# Altium PCB 400236.PcbDoc (part 2 of 5) (continued)
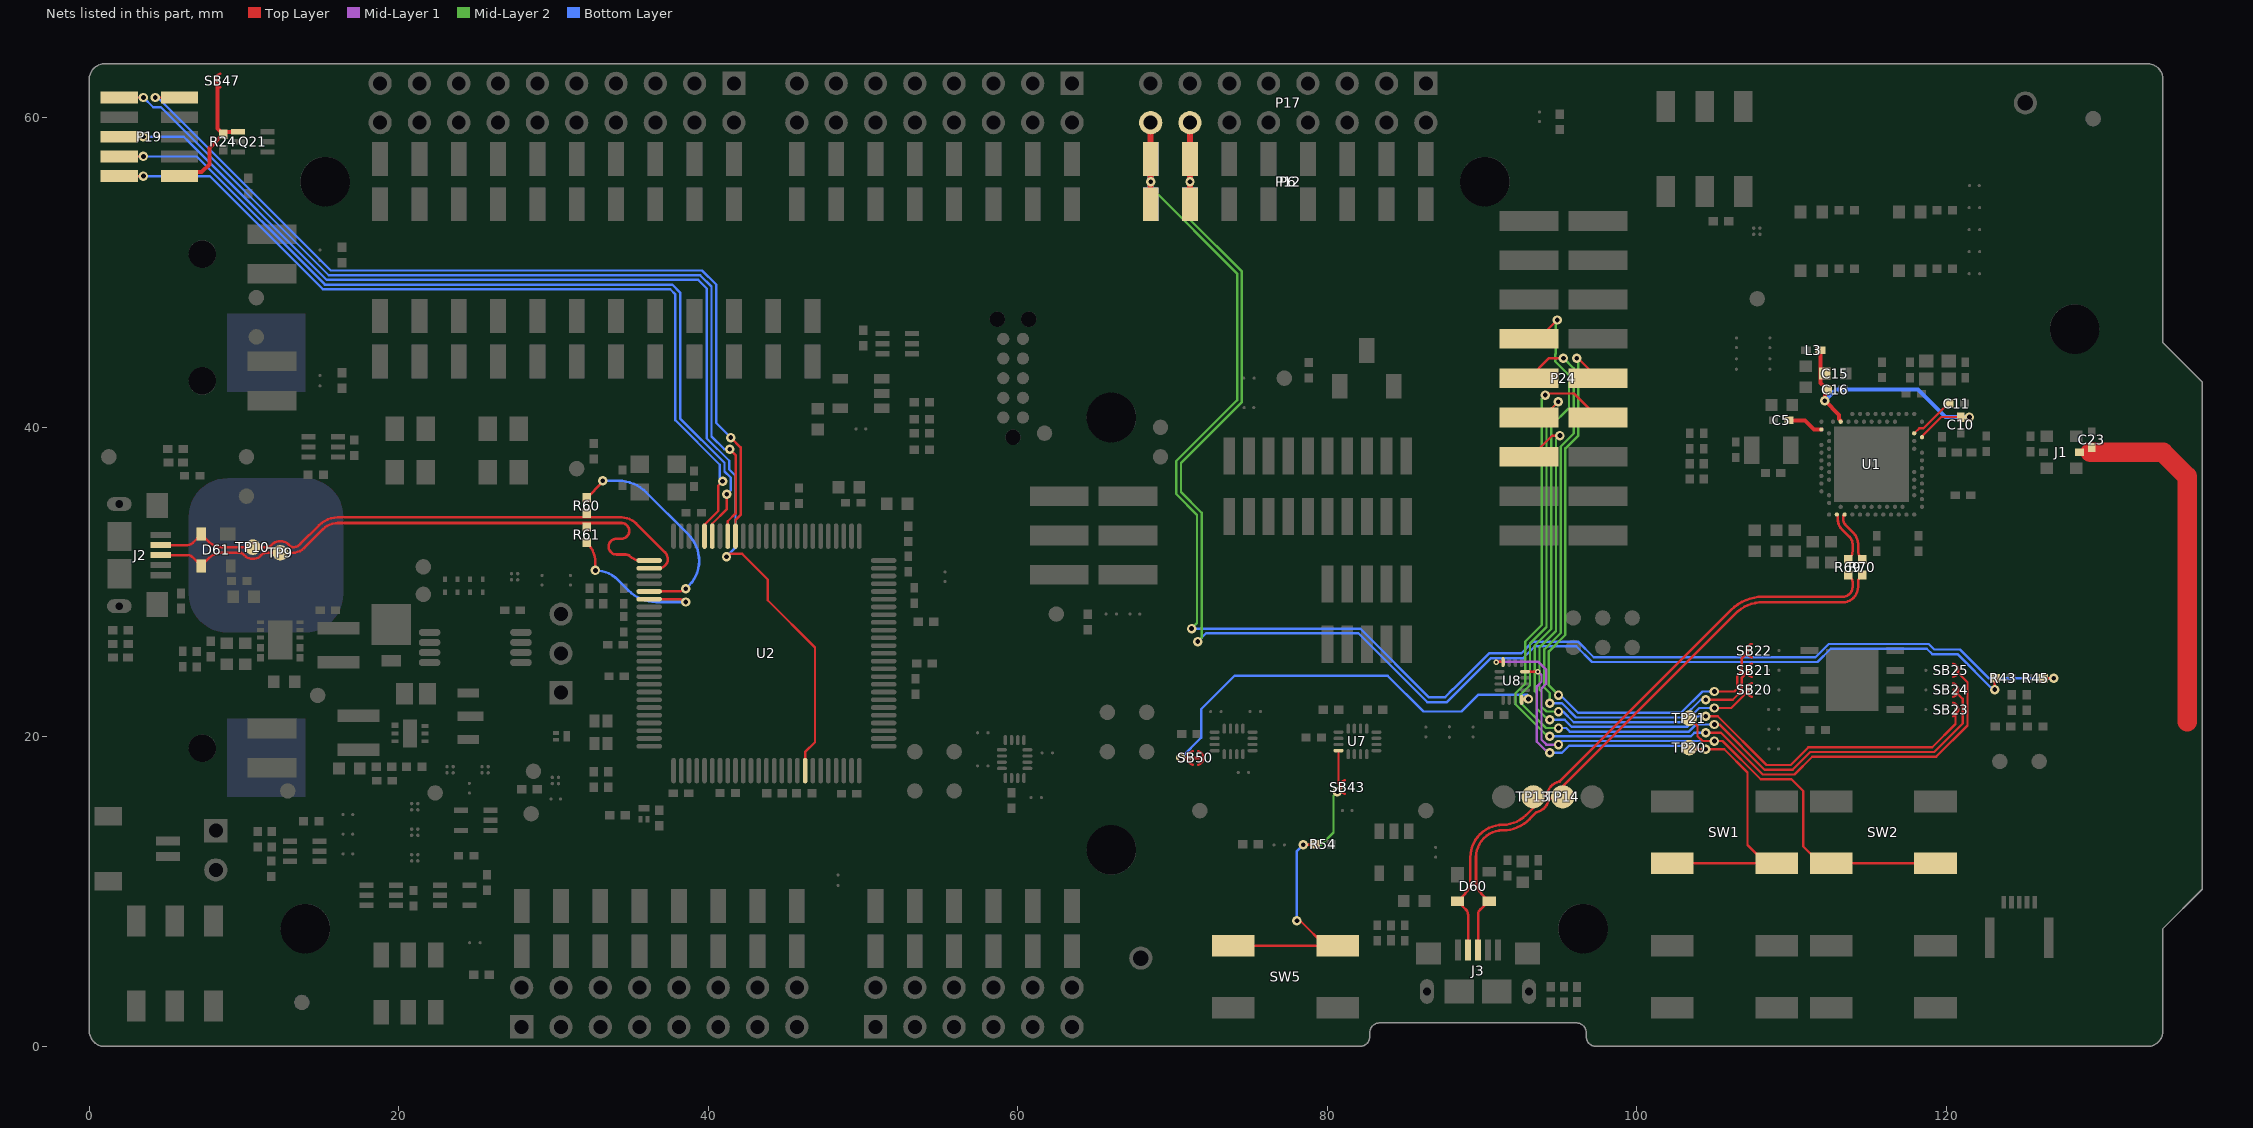
[diagram p4: the nets of this part, all layers, seen from the top]
## Part data (continued)
R1 R2 R30 R44 R46 R69 R70: library part R0402-0R, "Resistor, ±5%, 0.063W", Supplier part number=146-9661, Value Ohm=0, Artikkelnr Noca=27049000, Artikkelnr Simpro=N.A., Footprint Doc=0402, LatestRevisionDate=2009-11-23, Note="Chip Res 5%", Part Number=R0402-0R, Pin Count=2, Published=2009-05-08, Publisher="Nordic Semiconductor", Supplier=Farnell
R3 R4 R22 R23 R24 R27 R49 R62 R63: library part R0402-10k, "Resistor, ±1%, 0.063W", Part number IPS=00000002093, Supplier part number=173-8864, Value Ohm=10000, Artikkelnr Noca=27049097, Artikkelnr Simpro=N.A., Footprint Doc=0402, LatestRevisionDate=2009-11-23, Note="Chip Res 1%", Part Number=R0402-10k, Pin Count=2, Published=2009-05-08, Publisher="Nordic Semiconductor", Supplier=Farnell
  R62 R63: Assembly="Not mounted"
R20 R21 R47 R48 R50 R51: library part R0402-220, "Resistor, ±1%, 0.063W", Supplier part number=173-8841, Value Ohm=220, Artikkelnr Noca=27049057, Artikkelnr Simpro=N.A., Footprint Doc=0402, LatestRevisionDate=2009-11-23, Note="Chip Res 1%", Part Number=R0402-220, Pin Count=2, Published=2009-05-08, Publisher="Nordic Semiconductor", Supplier=Farnell
R25: library part R0402-6k8, "Resistor, ±1%, 0.063W", Supplier part number=173-8862, Value Ohm=6800, Artikkelnr Noca=27049093, Artikkelnr Simpro=N.A., Footprint Doc=0402, LatestRevisionDate=2009-11-23, Note="Chip Res 1%", Part Number=R0402-6k8, Pin Count=2, Published=2009-05-08, Publisher="Nordic Semiconductor", Supplier=Farnell
R26: library part R0402-47k, "Resistor, ±1%, 0.063W", Supplier part number=146-9719, Value Ohm=47000, Artikkelnr Noca=27049113, Artikkelnr Simpro=N.A., Footprint Doc=0402, LatestRevisionDate=2009-11-23, Note="Chip Res 1%", Part Number=R0402-47k, Pin Count=2, Published=2009-05-08, Publisher="Nordic Semiconductor", Supplier=Farnell
R28 R29: library part R0402-150, "Resistor, ±1%, 0.063W", Supplier part number=173-8839, Value Ohm=150, Artikkelnr Noca=27049053, Artikkelnr Simpro=N.A., Footprint Doc=0402, LatestRevisionDate=2009-11-23, Note="Chip Res 1%", Part Number=R0402-150, Pin Count=2, Published=2009-05-08, Publisher="Nordic Semiconductor", Supplier=Farnell
R40: library part R0402-150k, "Resistor, ±1%, 0.063W", Supplier part number=165-2753, Value Ohm=150000, Artikkelnr Noca=27049125, Artikkelnr Simpro=N.A., Footprint Doc=0402, LatestRevisionDate=2009-11-23, Note="Chip Res 1%", Part Number=R0402-150k, Pin Count=2, Published=2009-05-08, Publisher="Nordic Semiconductor", Supplier=Farnell
R41 R68 R86 R87 R89: library part R0402-1M0, "Resistor, ±1%, 0.063W", Part number IPS=00000006807, Value Ohm=1000000, Artikkelnr Noca=27049145, Artikkelnr Simpro=N.A., Footprint Doc=0402, LatestRevisionDate=2009-11-23, Note="Chip Res 1%", Part Number=R0402-1M0, Pin Count=2, Published=2009-05-08, Publisher="Nordic Semiconductor"
R43 R45 R54 R88 R90 R91: library part R0402-N.C., "Not mounted", Artikkelnr Noca=N.A., Artikkelnr Simpro=N.A., Assembly="Not mounted", Footprint Doc=0402, LatestRevisionDate=2009-05-08, Note="Chip Res", Part Number=R0402-N.C., Pin Count=2, Published=2009-05-08, Publisher="Nordic Semiconductor"
R52 R53 R64 R65 R66 R67: library part R0402-4k7, "Resistor, ±1%, 0.063W", Part number IPS=00000003433, Supplier part number=173-8858, Value Ohm=4700, Artikkelnr Noca=27049089, Artikkelnr Simpro=N.A., Footprint Doc=0402, LatestRevisionDate=2009-11-23, Note="Chip Res 1%", Part Number=R0402-4k7, Pin Count=2, Published=2009-05-08, Publisher="Nordic Semiconductor", Supplier=Farnell
R60 R61: library part R0402-39R, "Resistor, ±1%, 0.063W", Part number IPS=00000000821, Supplier part number=173-8831, Value Ohm=39, Artikkelnr Noca=27049039, Artikkelnr Simpro=N.A., Footprint Doc=0402, LatestRevisionDate=2009-11-23, Note="Chip Res 1%", Part Number=R0402-39R, Pin Count=2, Published=2009-05-08, Publisher="Nordic Semiconductor", Supplier=Farnell
R80: library part R0402-270k, "Resistor, ±1%, 0.063W", Value Ohm=270000, Artikkelnr Noca=27049131, Artikkelnr Simpro=N.A., Footprint Doc=0402, LatestRevisionDate=2009-11-23, Note="Chip Res 1%", Part Number=R0402-270k, Pin Count=2, Published=2009-05-08, Publisher="Nordic Semiconductor"
R81: library part R0402-30k, "Resistor, ±1%, 0.063W", Value Ohm=30000, Artikkelnr Noca=27049108, Artikkelnr Simpro=N.A., Footprint Doc=0402, LatestRevisionDate=2016-06-02, Note="Chip Res 1%", Part Number=R0402-30k, Pin Count=2, Published=2014-10-08, Publisher="Nordic Semiconductor"
R82: library part R0402-330k, "Resistor, ±1%, 0.063W", Value Ohm=330000, Artikkelnr Noca=27049133, Artikkelnr Simpro=N.A., Footprint Doc=0402, LatestRevisionDate=2009-11-23, Note="Chip Res 1%", Part Number=R0402-330k, Pin Count=2, Published=2009-05-08, Publisher="Nordic Semiconductor"
R83: library part R0402-820k, "Resistor, ±1%, 0.063W", Value Ohm=820000, Artikkelnr Noca=27049143, Artikkelnr Simpro=N.A., Footprint Doc=0402, LatestRevisionDate=2009-11-23, Note="Chip Res 1%", Part Number=R0402-820k, Pin Count=2, Published=2009-05-08, Publisher="Nordic Semiconductor"
R84: library part R0402-120k, "Resistor, ±1%, 0.063W", Supplier part number=169-2508, Value Ohm=120000, Artikkelnr Noca=27049123, Artikkelnr Simpro=N.A., Footprint Doc=0402, LatestRevisionDate=2009-11-23, Note="Chip Res 1%", Part Number=R0402-120k, Pin Count=2, Published=2009-05-08, Publisher="Nordic Semiconductor", Supplier=Farnell
R85: library part R0402-470k, "Resistor, ±1%, 0.063W", Value Ohm=470000, Artikkelnr Noca=27049137, Artikkelnr Simpro=N.A., Footprint Doc=0402, LatestRevisionDate=2009-11-23, Note="Chip Res 1%", Part Number=R0402-470k, Pin Count=2, Published=2009-05-08, Publisher="Nordic Semiconductor"
R92 R94: library part R0402-10M, "Resistor, ±1%, 0.063W", Value Ohm=10000000, Artikkelnr Noca=27049169, Artikkelnr Simpro=N.A., Footprint Doc=0402, LatestRevisionDate=2009-11-23, Note="Chip Res 1%", Part Number=R0402-10M, Pin Count=2, Published=2009-05-08, Publisher="Nordic Semiconductor"
R93: library part R0402-1k0, "Resistor, ±1%, 0.063W", Part number IPS=00000002218, Supplier part number=173-8850, Value Ohm=1000, Artikkelnr Noca=27049073, Artikkelnr Simpro=N.A., Footprint Doc=0402, LatestRevisionDate=2009-11-23, Note="Chip Res 1%", Part Number=R0402-1k0, Pin Count=2, Published=2009-05-08, Publisher="Nordic Semiconductor", Supplier=Farnell
SB1 SB2 SB5 SB6 SB7 SB8 SB10 SB11 SB12 SB13 SB14 SB15 SB16 SB33 SB38 SB40 SB41 SB42 SB50 SB51 SB52 SB53 SB54 SB55 SB56 SB57 SB58 SB60 SB65: library part "Solderbridge Shorted", "Shorted Solderbridge", Artikkelnr Noca=N.A., Artikkelnr Simpro=N.A., Footprint Doc=Solderbridge_Shorted, LatestRevisionDate=2012-08-07, Part Number="Solderbridge Shorted", Pin Count=2, Published=2012-08-07, Publisher="Nordic Semiconductor"
SW1 SW2 SW3 SW4 SW5: library part Switch-PB-6.2x6.3mm-SMD, "Tactile Switch, SPNO, SMD, 160gf, 6.2x6.3x2.5mm", 2nd source part number=688-SKHUALE010, Manufacturer=Dailywell, Manufacturer Part Number=TS604VM1-025BR-R, Part number IPS=00000007812, 2nd source Supplier=Mouser, Artikkelnr Noca=50019106, Artikkelnr Simpro=N.A., Datasheet=\\hizz\pro\app9717\Datasheet\switches\Dailywell\TS604VM1-025BR-R.pdf, Footprint Doc=Switch-PB-6.2x6.3mm-SMD, LatestRevisionDate=2016-04-21, Part Number=Switch-PB-6.2x6.3mm-SMD, Pin Count=4, Published=2010-02-01, Publisher="Nordic Semiconductor", Supplier=Cabcon, Supplier part number=TS604VM1-025BR-R
SW6 SW8: "Slide Switch DPDT", Manufacturer=Dailywell, Artikkelnr Noca=50019112, Artikkelnr Simpro=N.A., Datasheet=\\hizz\pro\app9717\Datasheet\switches\Dailywell\MKH-22D14-G2-B.pdf, Footprint Doc=MKH-22D14-G2-B, LatestRevisionDate=2016-08-18, Manufacturer Part Number=MKH-22D14-G2-B, Part Number=MKH-22D14-G2-B, Pin Count=6, Published=2016-08-18, Publisher="Nordic Semiconductor"
SW7: library part CJS-1200TA, "SMD slide Switch (ON-ON)", Manufacturer="Copal Electronics Inc", Supplier part number=563-1021-2-ND, Artikkelnr Noca=50019068, Artikkelnr Simpro=N.A., Datasheet=http://media.digikey.com/pdf/Data%20Sheets/COPAL%20Electronics%20PDFs/CJS.pdf, Footprint Doc=CJS-120xA, LatestRevisionDate=2012-10-03, Manufacturer Part Number=CJS-1200TA, Part Number=CJS-1200TA, Pin Count=3, Published=2012-10-03, Publisher="Nordic Semiconductor", Supplier=Digi-Key
SW9: "Slide Switch DP3T 300mA 6V", Manufacturer="C&K Components", Supplier part number=CKN10725CT-ND, Artikkelnr Noca=50019111, Artikkelnr Simpro=N.A., Datasheet=http://www.ckswitches.com/media/1422/js.pdf, Footprint Doc=Switch-Slide-J-Lead-DP3T-13x3.5mm, LatestRevisionDate=2016-10-05, Manufacturer Part Number=JS203011JCQN, Part Number=JS203011JCQN, Pin Count=8, Published=2016-10-05, Publisher="Nordic Semiconductor", Supplier=Digi-Key
SW10: "Slide Switch DPDT J Hook", Manufacturer="Copal Electronics Inc", Supplier part number=CAS220JTR-ND, Artikkelnr Noca=50019042, Artikkelnr Simpro=N.A., Datasheet=http://media.digikey.com/pdf/Data%20Sheets/COPAL%20Electronics%20PDFs/CAS%20SMD%20Slide%20Switch.pdf, Footprint Doc=CAS-220TA, LatestRevisionDate=2010-02-18, Manufacturer Part Number=CAS-220TA, Part Number=CAS-220TA, Pin Count=6, Published=2010-02-18, Publisher="Nordic Semiconductor", Supplier=Digi-Key
TP1 TP2 TP3 TP4 TP5 TP6 TP7 TP8 TP9 TP10 TP11 TP12 TP17 TP18 TP19 TP20 TP21 TP22 TP23 TP24 TP25 TP26 TP27 TP28 TP29 TP30 TP31 TP32 TP33 TP34 TP35 TP36 TP37 TP38 TP39 TP42 TP43 TP44 TP45 TP46 TP47: library part TP_SMD_Ø1.0MM, "1.0mm circular SMD testpad", Manufacturer="Nordic Semiconductor", Artikkelnr Noca=N.A., Artikkelnr Simpro=N.A., Footprint Doc=TP_SMD_Ø1.0mm, LatestRevisionDate=2013-06-11, Part Number=TP_SMD_Ø1.0MM, Pin Count=1, Published=2013-06-11, Publisher="Nordic Semiconductor"
TP13 TP14 TP15 TP16: library part TP_SMD_Ø1.5MM, "1.0mm circular SMD testpad", Manufacturer="Nordic Semiconductor", Artikkelnr Noca=N.A., Artikkelnr Simpro=N.A., ComponentLink1Description=Datasheet, ComponentLink2Description="Supplier link", Footprint Doc=TP_SMD_Ø1.5mm, LatestRevisionDate=2016-06-02, Part Number=TP_SMD_Ø1.5MM, Pin Count=1, Published=2016-06-02, Publisher="Nordic Semiconductor"
TP40 TP41: library part "Testpoint TH", "Testpoint, through hole", Artikkelnr Noca=N.A., Artikkelnr Simpro=N.A., Footprint Doc=TESTPAD-TH, LatestRevisionDate=2009-12-12, Part Number="Testpoint TH", Pin Count=1, Published=2009-12-12, Publisher="Nordic Semiconductor"
U1: library part nRF52840-QIAAC0, "Multi-protocol Bluetooth Low Energy, IEEE 802.15.4, ANT and 2.4GHz proprietary system-on-chip", Manufacturer="Nordic Semiconductor", Part number IPS=N.A., Artikkelnr Noca=15079380, Artikkelnr Simpro=N.A., ComponentLink1Description=Datasheet, ComponentLink2Description="Supplier link", Footprint Doc=AQFN-73, LatestRevisionDate=2018-02-27, Manufacturer Part Number=nRF52840-QIAAC0, Part Number=nRF52840-QIAAC0, Pin Count=73, Published=2017-08-21, Publisher="Nordic Semiconductor", Supplier="Nordic Semiconductor", Supplier part number=nRF52840-QIAAC0
U2: "IC MCU 32bit 128kB flash 100LQFP", 2nd source part number=184-1662, Manufacturer=Atmel, Supplier part number=ATSAM3U2CA-AU-ND, 2nd source Supplier=Farnell, Artikkelnr Noca=15019073, Artikkelnr Simpro=N.A., Datasheet=http://www.atmel.com/Images/6430s.pdf, Footprint Doc=LQFP-100, LatestRevisionDate=2012-06-01, Manufacturer Part Number=ATSAM3U2CA-AU, Part Number=ATSAM3U2CA-AU, Pin Count=100, Published=2012-06-01, Publisher="Nordic Semiconductor", Supplier=Digi-Key
U3: library part MX25R6435FZNIL0, "Ultra low power, 64M-bit, serial multi I/O flash memory", Manufacturer=Macronix, 2nd source part number=MX25R6435FZNIL0, 2nd source Supplier=Arrow, Artikkelnr Noca=15020015, Artikkelnr Simpro=N.A., Datasheet=http://www.macronix.com/Lists/Datasheet/Attachments/3881/MX25R6435F,%20Wide%20Range,%2064Mb,%20v1.3.pdf, Footprint Doc=WSON-8, LatestRevisionDate=2016-06-29, Manufacturer Part Number=MX25R6435FZNIL0, Part Number=MX25R6435FZNIL0, Pin Count=8, Published=2016-06-29, Publisher="Nordic Semiconductor", Supplier=Future, Supplier part number=MX25R6435FZNIL0
U4 U13 U14 U15 U16 U17 U18 U24: "Semtech, 2A Low Vin, Very Low Ron, Load Switch, 4DSBGA", 2nd source part number=947-SC728CSTRT, Manufacturer="Semtech Corporation", Supplier part number=SC728CSTRTCT-ND, 2nd source Supplier=Mouser, Artikkelnr Noca=15070081, Artikkelnr Simpro=N.A., Datasheet=http://www.semtech.com/images/datasheet/sc728.pdf, Footprint Doc=WCSP-4, LatestRevisionDate=2015-01-01, Manufacturer Part Number=SC728CSTRT, Part Number=SC728CSTRT, Pin Count=4, Published=2016-06-16, Publisher="Nordic Semiconductor", Supplier=Digi-Key
U5 U6 U7 U8: "Data / Audio Low-Voltage Dual DPDT Analog Switch", 2nd source part number=512-FSA2466UMX, Manufacturer="Fairchild Semiconductor", Supplier part number=FSA2466UMXCT-ND, 2nd source Supplier=Mouser, Artikkelnr Noca=15070069, Artikkelnr Simpro=N.A., Datasheet=https://www.fairchildsemi.com/datasheets/FS/FSA2466.pdf, Footprint Doc=UFQFN-16, LatestRevisionDate=2016-05-18, Manufacturer Part Number=FSA2466UMX, Part Number=FSA2466UMX, Pin Count=16, Published=2016-05-18, Publisher="Nordic Semiconductor", Supplier=Digi-Key
U11: library part XC9236D08CER-G, "600mA Driver Transistor Built-In, Synchronous Step-Down DC/DC Converters", 2nd source part number=XC9236D08CER-G-ND, Manufacturer="Torex Semiconductor", Part number IPS=N.A., Supplier part number=865-XC9236D08CER-G, 2nd source Supplier=Digi-Key, Artikkelnr Noca=17030085, Artikkelnr Simpro=N.A., ComponentLink1Description=Datasheet, ComponentLink2Description="Supplier link", Footprint Doc=USP-6C, HelpURL=http://www.torexsemi.com/products/dcdc_converters/data/XC9235~37.pdf, LatestRevisionDate=2017-11-15, Manufacturer Part Number=XC9236D08CER-G, Part Number=XC9236D08CER-G, Pin Count=6, Published=2017-11-15, Publisher="Nordic Semiconductor", Supplier=Mouser
U12: library part XC9131H05CDR-G, "1A Driver Transistor Built-In, Multi Functional Step-Up DC/DC Converter", Manufacturer="Torex Semiconductor", Supplier part number=XC9131H05CDR-G-ND, Artikkelnr Noca=17030086, Artikkelnr Simpro=N.A., Datasheet=http://www.torexsemi.com/products/dcdc_converters/data/XC9131.pdf, Footprint Doc=UFDFN-10, LatestRevisionDate=2016-08-08, Manufacturer Part Number=XC9131H05CDR-G, Part Number=XC9131H05CDR-G, Pin Count=10, Published=2016-08-08, Publisher="Nordic Semiconductor", Supplier=Digi-Key
U19: "Precision very low power CMOS dual operational amplifier", Manufacturer=STMicroelectronics, Supplier part number=497-8085-1-ND, Artikkelnr Noca=17010019, Artikkelnr Simpro=N.A., Datasheet=http://www.st.com/content/ccc/resource/technical/document/datasheet/38/5b/ca/bd/c0/26/4a/34/CD00000880.pdf/files/CD00000880.pdf/jcr:content/translations/en.CD00000880.pdf, Footprint Doc=TSSOP-8, LatestRevisionDate=2016-07-07, Manufacturer Part Number=TS27L2IPT, Part Number=TS27L2IPT, Pin Count=8, Published=2016-07-07, Publisher="Nordic Semiconductor", Supplier=Digi-Key
U20 U25: library part 74LVC1G08GW, "Single 2-Input AND Gate", 2nd source part number=242-8299, Manufacturer="NXP Semiconductors", Supplier part number=568-1580-1-ND, 2nd source Supplier=Farnell, Artikkelnr Noca=15049058, Artikkelnr Simpro=N.A., Datasheet=http://www.nxp.com/documents/data_sheet/74LVC1G08.pdf, Footprint Doc=SC70-5, LatestRevisionDate=2016-10-18, Manufacturer Part Number=74LVC1G08GW, Note="Single 2-Input AND Gate", Part Number=74LVC1G08GW, Pin Count=5, Published=2016-10-18, Publisher="Nordic Semiconductor", Supplier=Digi-Key
U21: library part 74LVC1G11GW, "Single 3-input AND gate", 2nd source part number=243-8826, Manufacturer="NXP Semiconductors", Supplier part number=568-7757-1-ND, 2nd source Supplier=Farnell, Artikkelnr Noca=15079348, Artikkelnr Simpro=N.A., Datasheet=http://www.nxp.com/documents/data_sheet/74LVC1G11.pdf, Footprint Doc=SC70-6, LatestRevisionDate=2016-10-18, Manufacturer Part Number=74LVC1G11GW, Note="Single 3-input AND gate", Part Number=74LVC1G11GW, Pin Count=6, Published=2016-10-18, Publisher="Nordic Semiconductor", Supplier=Digi-Key
U22 U23: library part TCK106AF,LF, "1.0 A Load Switch IC with Slew Rate Control Driver in Small Package", Manufacturer=Toshiba, Part number IPS=00000007823, Supplier part number=TCK106AFLFCT-ND, Artikkelnr Noca=15070086, Artikkelnr Simpro=N.A., Datasheet=https://toshiba.semicon-storage.com/info/docget.jsp?did=53240&prodName=TCK108AF, Footprint Doc=SOT-25, LatestRevisionDate=2016-09-29, Manufacturer Part Number=TCK106AF,LF, Part Number=TCK106AF,LF, Pin Count=5, Published=2016-09-29, Publisher="Nordic Semiconductor", Supplier=Digi-Key
X1: library part XTAL_SMD2016_32MHz_8pF_Golledge, "XTAL SMD 2016, 32MHz, Cl=8pF, Tol: ±10ppm, Stab: ±15ppm", Manufacturer=Golledge, Manufacturer Part Number=MP06003, Artikkelnr Noca=N.A., Artikkelnr Simpro=N.A., ComponentLink1Description=Datasheet, ComponentLink2Description="Supplier link", Footprint Doc=XTAL_2016, HelpURL=\\hizz\pro\app9717\Datasheet\crystals\Golledge\mp06003.pdf, LatestRevisionDate=2016-11-02, Note="XTAL SMD 32.000MHz", Part Number=XTAL_SMD2016_32MHz_8pF_Golledge, Pin Count=4, Published=2016-11-02, Publisher="Nordic Semiconductor", Supplier="Link Nordic"
X2: library part XTAL_SMD3215_32.768kHz_9pF_NDK, "XTAL SMD 2012, 32.768kHz, 9pF, ±20ppm", Manufacturer=NDK, Manufacturer Part Number=NX3215SA-32.768K-STD-MUA-9, Artikkelnr Noca=N.A., Artikkelnr Simpro=N.A., Footprint Doc=XTAL_3215, LatestRevisionDate=2017-10-23, Note="XTAL SMD 32.768kHz", Part Number=XTAL_SMD3215_32.768kHz_9pF_NDK, Pin Count=2, Published=2017-10-23, Publisher="Nordic Semiconductor"
X20: library part XTAL_SMD3225_12MHz_18pF_TXC, "XTAL SMD 3225, 12MHz, Cl=18pF, Tol: ±30ppm, Stab: ±30ppm", 2nd source part number=184-2056, Manufacturer="TXC Corporation", Manufacturer Part Number=7M-12.000MAAJ-T, Supplier part number=887-1121-1-ND, 2nd source Supplier=Farnell, Artikkelnr Noca=22019166, Artikkelnr Simpro=N.A., Datasheet=http://www.txccrystal.com/images/pdf/7m.pdf, Footprint Doc=XTAL_3225, LatestRevisionDate=2014-11-27, Note="XTAL SMD 12.000MHz", Part Number=XTAL_SMD3225_12MHz_18pF_TXC, Pin Count=4, Published=2010-08-31, Publisher="Nordic Semiconductor", Supplier=Digi-Key
SB3 SB4 SB9 SB17 SB18 SB20 SB21 SB22 SB23 SB24 SB25 SB30 SB31 SB32 SB34 SB35 SB36 SB37 SB39 SB43 SB44 SB45 SB46 SB47 SB48 SB49 SB59 SB80 SB81: Artikkelnr Noca=N.A., Artikkelnr Simpro=N.A., Footprint Doc=Solderbridge, LatestRevisionDate=2009-12-14, Part Number=Solderbridge, Pin Count=2, Published=2009-12-14, Publisher="Nordic Semiconductor"

## Free pads (board coordinates)
  round 3.2 hole 3.2 unplated: 1(13.97,7.62) 1(15.24,55.88) 1(66.04,12.7) 1(66.04,40.64) 1(90.17,55.88) 1(96.52,7.62) 1(128.27,46.355)
  round 0.35 on Mech16: 1(112.414,36.617) 1(112.414,37.117) 1(112.414,37.617) 1(112.414,38.117) 1(112.414,38.617) 1(114.164,34.867) 1(114.164,40.367) 1(114.414,34.367) 1(114.664,34.867) 1(114.664,40.367) 1(114.914,34.367) 1(115.164,34.867) 1(115.164,40.367) 1(115.664,34.867) 1(115.664,40.367) 1(116.164,34.867) 1(116.164,40.367) 1(116.664,34.867) 1(116.664,40.367) 1(117.164,34.867) 1(117.914,35.617) 1(117.914,36.117) 1(117.914,36.617) 1(117.914,37.117)

## Via types
v1: diameter 0.61, hole 0.305, Top Layer to Bottom Layer, tented both sides, 1088 vias
v2: diameter 0.35, hole 0.15, Top Layer to Mid-Layer 1, tented both sides, 180 vias
v3: diameter 0.61, hole 0.305, Top Layer to Bottom Layer, 24 vias

## Nets (pads, with @x,y where several pads share a name; then routed paths per layer and width w, separated by ;. In a path a pad name is that pad's centre, name@x,y a point inside that pad or via, vN(x,y) a via of type N, cw(c..) or ccw(c..) an arc to the next point about the centre after c; other vN are vias at no path point)
ANT: C23.1 J1.3 | length 22.7
  Top Layer w1.27: 129.303,38.391 133.992,38.391 135.551,36.832 135.551,20.99
BOOT/RESET: R54.1 SB43.1 SW5.2 U7.16 | length 23.2
  Top Layer w0.152: SW5.2@73.917,6.502 SW5.2@80.667,6.502 ; v1(78.029,8.128) 78.241,8.128 SW5.2@79.913,6.456 ; v1(78.435,13.03) 79.18,13.03 R54.1@79.231,13.081 ; v1(80.645,16.459) 80.95,16.764 80.95,16.782 80.715,17.016 U7.16@80.715,19.11 U7.16@80.68,19.11
  Mid-Layer 2 w0.152: v1(78.435,13.03) 79.604,13.03 80.391,13.818 80.391,16.205 v1(80.645,16.459)
  Bottom Layer w0.152: v1(78.029,8.128) 78.029,12.624 v1(78.435,13.03)
BUTTON1: SW1.2 TP20.1 U8.4 | length 35.3
  Top Layer w0.152: U8.4@92.773,24.222 93.609,24.222 v2@93.624,24.206 ; SW1.2@102.278,11.83 SW1.2@108.331,11.83 ; TP20.1@103.378,19.304 103.48,19.202 v1(104.445,19.202) 105.634,19.202 107.137,17.699 107.137,13.024 SW1.2@108.331,11.83 ; SW1.2@109.707,11.83 SW1.2@109.028,11.83 SW1.2@108.331,11.83
  Mid-Layer 1 w0.152: v2@93.624,24.206 93.828,24.003 93.828,23.562 93.531,23.266 93.531,19.693 94.251,18.974 v1(94.369,18.974)
  Bottom Layer w0.152: v1(94.369,18.974) 95.149,18.974 95.606,19.431 103.454,19.431 103.683,19.202 v1(104.445,19.202)
  other v2: 93.599,24.206
BUTTON2: SW2.2 TP21.1 U8.8 | length 42.9
  Top Layer w0.152: v2@90.887,24.847 U8.8@91.348,24.847 ; TP21.1@103.378,21.234 103.914,20.699 103.914,20.049 104.227,19.736 v1(105.004,19.736) 105.532,19.736 107.995,17.272 109.981,17.272 110.744,16.509 110.744,12.927 111.841,11.83 SW2.2@112.54,11.83 SW2.2@119.29,11.83 SW2.2@119.913,11.83
  Mid-Layer 1 w0.152: v2@90.887,24.847 93.645,24.847 94.132,24.359 94.132,23.436 93.836,23.139 93.836,19.82 94.148,19.507 v1(94.928,19.507)
  Bottom Layer w0.152: v1(94.928,19.507) 95.157,19.736 v1(105.004,19.736)
  other v2: 90.912,24.822
CTS: SB50.1 U8.16 | length 28.9
  Top Layer w0.152: U8.16@92.548,22.397 v1@92.907,22.397 ; v1@93.04,22.53 v1@92.907,22.397 ; v1@93.167,22.479 93.085,22.397 v1@92.907,22.397
  Top Layer w0.203: v1(70.536,18.644) 70.963,18.644 SB50.1@71.138,18.644
  Bottom Layer w0.152: v1(70.536,18.644) 71.839,19.947 71.839,21.794 73.998,23.952 83.887,23.952 86.199,21.641 88.664,21.641 89.756,22.733 92.913,22.733 v1@93.167,22.479
  other v1: 92.989,22.454
D20: P6.7 P12.7 P17.14 R43.1 | length 99.3
  Top Layer w0.152: v1(123.114,23.063) 123.114,23.745 R43.1@123.169,23.8
  Top Layer w0.381: P6.7@71.12,54.415 v1(71.12,55.88) P6.7@71.12,57.345 P17.14@71.12,59.69
  Mid-Layer 2 w0.152: v1(71.12,55.88) 71.12,53.417 74.473,50.064 74.473,41.631 70.536,37.694 70.536,35.822 71.882,34.475 71.882,26.416 v1(71.628,26.162)
  Bottom Layer w0.152: v1(71.628,26.162) 72.161,26.695 82,26.695 86.445,22.25 87.729,22.25 90.571,25.092 92.648,25.092 93.413,25.857 96.073,25.857 97.089,24.841 111.658,24.841 ; 111.658,24.845 112.518,25.704 118.721,25.704 119.075,25.349 120.701,25.349 122.987,23.063 v1(123.114,23.063)
  Bottom Layer w0.381: P12.7@71.12,54.415 v1(71.12,55.88) P12.7@71.12,57.345
D21: P6.8 P12.8 P17.16 R45.1 | length 102.9
  Top Layer w0.152: R45.1@126.251,23.8 v1(126.928,23.8)
  Top Layer w0.381: P6.8@68.58,54.415 v1(68.58,55.88) P6.8@68.58,57.345 P17.16@68.58,59.69
  Mid-Layer 2 w0.152: v1(68.58,55.88) 68.58,55.526 74.168,49.938 74.168,41.758 70.231,37.821 70.231,35.695 71.577,34.349 71.577,27.356 v1(71.222,27)
  Bottom Layer w0.152: v1@71.425,27 82.126,27 86.571,22.555 87.603,22.555 87.63,22.582 87.63,22.598 88.121,23.089 88.137,23.089 90.445,25.397 92.521,25.397 93.287,26.162 96.196,26.162 97.212,25.146 111.532,25.146 112.392,26.006 118.849,26.006 119.201,25.654 120.861,25.654 122.715,23.8 v1(126.928,23.8)
  Bottom Layer w0.381: P12.8@68.58,54.415 v1(68.58,55.88) P12.8@68.58,57.345
D28: P24.7 SB23.2 | length 60
  Top Layer w0.152: P24.7@93.027,45.72 93.624,45.72 v1(94.844,46.939) ; v1(104.445,21.336) 105.225,21.336 108.374,18.186 109.932,18.186 111.075,19.329 119.076,19.329 120.581,20.835 SB23.2@120.581,21.768
  Mid-Layer 2 w0.152: v1(94.369,21.107) 94.251,21.107 93.531,21.827 93.531,22.811 93.396,22.947 93.396,25.909 94.463,26.976 94.463,40.107 95.606,41.25 95.606,43.365 94.717,44.254 94.717,44.722 94.742,44.747 94.742,46.838 v1(94.844,46.939)
  Bottom Layer w0.152: v1(94.369,21.107) 95.327,21.107 95.784,20.65 103.231,20.65 103.917,21.336 v1(104.445,21.336)
D30: P24.9 SB21.2 | length 41.3
  Top Layer w0.152: P24.9@93.027,43.18 94.323,44.475 v1(95.25,44.475) ; v1(104.445,22.403) 106.191,22.403 106.78,22.992 106.78,23.831 107.108,24.159 SB21.2@107.257,24.308
  Mid-Layer 2 w0.152: v1(94.369,22.174) 94.369,22.835 94.005,23.199 94.005,25.656 95.072,26.723 95.072,38.768 95.91,39.606 95.91,43.815 v1(95.25,44.475)
  Bottom Layer w0.152: v1(94.369,22.174) 95.149,22.174 96.064,21.26 102.979,21.26 104.122,22.403 v1(104.445,22.403)
D31: P24.10 SB22.2 | length 40.2
  Top Layer w0.152: v1(96.114,44.475) 96.177,44.475 P24.10@97.472,43.18 ; v1(105.004,22.936) 106.293,22.936 106.475,23.118 106.475,23.957 106.78,24.262 106.78,25.101 107.108,25.429 SB22.2@107.257,25.578
  Mid-Layer 2 w0.152: v1(94.928,22.708) 94.31,23.326 94.31,25.53 95.377,26.597 95.377,38.642 96.215,39.48 96.215,44.374 v1(96.114,44.475)
  Bottom Layer w0.152: v1(94.928,22.708) 95.047,22.708 96.19,21.565 102.852,21.565 104.224,22.936 v1(105.004,22.936)
D32: P24.11 SB24.2 | length 57.2
  Top Layer w0.152: P24.11@93.027,40.64 93.904,40.64 v1(94.92,41.656) ; v1(105.004,20.803) 105.327,20.803 108.248,17.882 110.058,17.882 111.201,19.025 119.202,19.025 121.049,20.872 121.049,22.461 120.472,23.038
  Mid-Layer 2 w0.152: v1(94.92,41.656) 94.158,40.894 94.158,27.102 93.091,26.035 93.091,23.335 92.456,22.7 92.456,22.233 94.115,20.574 v1(94.928,20.574)
  Bottom Layer w0.152: v1(94.928,20.574) 95.429,20.574 95.658,20.345 103.357,20.345 103.814,20.803 v1(105.004,20.803)
D33: P24.12 SB25.2 | length 61.3
  Top Layer w0.152: v1(94.082,42.088) 94.183,42.189 95.923,42.189 P24.12@97.472,40.64 ; v1(104.445,20.269) 105.429,20.269 108.122,17.577 110.184,17.577 111.327,18.72 119.329,18.72 121.354,20.745 121.354,23.535 SB25.2@120.581,24.308
  Mid-Layer 2 w0.152: v1(94.082,42.088) 93.853,41.859 93.853,27.229 92.786,26.162 92.786,23.461 92.151,22.826 92.151,22.106 94.217,20.041 v1(94.369,20.041)
  Bottom Layer w0.152: v1(94.369,20.041) 103.484,20.041 103.712,20.269 v1(104.445,20.269)
D34: P24.13 SB20.2 | length 35.3
  Top Layer w0.152: P24.13@93.091,38.036 94.526,39.472 v1(95.021,39.472) ; v1(105.004,21.869) 106.088,21.869 107.108,22.889 SB20.2@107.257,23.038
  Mid-Layer 2 w0.152: v1(94.928,21.641) 94.148,21.641 93.836,21.953 93.836,22.938 93.701,23.073 93.701,25.782 94.767,26.849 94.767,39.218 v1(95.021,39.472)
  Bottom Layer w0.152: v1(94.928,21.641) 95.225,21.641 95.91,20.955 103.105,20.955 104.019,21.869 v1(105.004,21.869)
D*_N: D60.2 J3.2 R69.2 TP13.1 | length 39.8
  Top Layer w0.165: J3.2@89.086,5.985 89.086,8.495 ccw(c88.578,8.495) 88.938,8.855 D60.2@88.402,9.39 88.912,9.899 ccw(c88.114,10.697) 89.242,10.697 89.242,12.23 cw(c91.338,12.23) 91.338,14.326 ccw(c91.338,16.411) 92.813,14.936 94.183,16.307 ; 94.204,16.333 cw(c95.199,16.129) 94.995,17.124 ; 94.998,17.121 106.088,28.211 cw(c108.136,26.162) 108.136,29.06 113.295,29.06 ccw(c113.295,29.693) 113.928,29.693 113.928,30.023 ccw(c113.548,30.023) 113.817,30.291 R69.2@113.65,30.458
D*_P: D60.3 J3.3 R70.2 TP14.1 | length 39.9
  Top Layer w0.165: J3.3@89.734,5.983 89.734,8.495 cw(c90.242,8.495) 89.883,8.855 ; 89.883,8.854 D60.3@90.429,9.4 ; D60.3@90.44,9.39 89.931,9.899 cw(c90.729,10.697) 89.6,10.697 89.6,12.232 cw(c91.338,12.232) 91.338,13.97 ccw(c91.338,16.418) 93.069,14.687 93.522,15.139 ccw(c93.294,16.129) 94.284,15.901 ; 94.284,15.902 106.34,27.958 cw(c108.136,26.162) 108.136,28.702 113.295,28.702 ; 113.295,28.702 ccw(c113.295,29.693) 114.286,29.693 114.286,30.023 cw(c114.666,30.023) 114.397,30.291 R70.2@114.565,30.458
D_N: R69.1 U1.AD4 | length 3.4
  Top Layer w0.165: U1.AD4@112.914,34.367 112.982,34.299 112.982,34.061 ; 112.977,34.061 ccw(c113.89,34.061) 113.244,33.415 113.741,32.918 cw(c113.29,32.467) 113.928,32.467 113.928,32.004 cw(c113.282,32.004) 113.739,31.547 R69.1@113.65,31.458
D_P: R70.1 U1.AD6 | length 3.4
  Top Layer w0.165: U1.AD6@113.414,34.367 113.335,34.289 113.335,34.061 ccw(c113.89,34.061) 113.498,33.669 113.994,33.172 cw(c113.29,32.467) 114.286,32.467 114.286,32.004 ccw(c114.933,32.004) 114.476,31.547 R70.1@114.565,31.458
DEC1: C5.1 U1.C1 | length 2.3
  Top Layer w0.25: C5.1@109.824,40.455 110.851,40.455 111.439,39.867 U1.C1@111.914,39.867
DEC3: C11.1 U1.D23 | length 3
  Top Layer w0.152: U1.D23@117.914,39.617 117.919,39.617 118.244,39.942 118.514,39.942 120.114,41.542 C11.1@120.164,41.542
DEC4_6: C10.2 C15.2 C16.1 L3.1 U1.B5 U1.E24 | length 19.2
  Top Layer w0.15: U1.E24@118.414,39.367 118.414,39.423 119.657,40.667 v1(121.478,40.667)
  Top Layer w0.25: L3.1@111.864,44.992 111.864,42.867 112.139,42.592 v1(112.139,41.729) 113.064,40.805 113.064,40.544 113.164,40.444 U1.B5@113.164,40.367
  Bottom Layer w0.25: v1(112.139,41.729) 112.852,42.443 118.161,42.443 119.937,40.667 v1(121.478,40.667)
DFSD_N: R60.1 U2.80 | length 14.7
  Top Layer w0.165: R60.1@32.157,35.449 v1@33.138,36.43 ; v1@33.138,36.43 ccw(c33.017,36.551) v1(33.188,36.551) ; U2.80@36.179,29.403 38.065,29.403 ; 38.108,29.403 ccw(c38.108,30.023) v1@38.547,29.584
  Bottom Layer w0.165: v1(33.188,36.551) 34.193,36.551 cw(c34.193,34.011) 35.989,35.807 38.692,33.103 cw(c36.958,31.369) 39.411,31.369 cw(c37.181,31.369) 38.758,29.792 v1(38.547,29.582)
DFSD_P: R61.1 U2.81 | length 10.9
  Top Layer w0.165: R61.1@32.148,32.572 R61.1@32.157,32.581 ; R61.1@32.157,32.563 cw(c30.833,31.239) 32.705,31.239 v1(32.705,30.759) ; U2.81@36.179,28.9 38.09,28.9 ; 38.108,28.9 cw(c38.108,28.279) v1@38.547,28.718
  Bottom Layer w0.165: v1(32.705,30.759) cw(c32.705,28.736) 34.136,30.167 34.841,29.462 ccw(c36.637,31.258) 36.637,28.718 v1@38.547,28.718
  other v1: 38.547,28.721
DHSD_N: D61.2 J2.2 R60.2 TP10.1 U2.77 | length 38.5
  Top Layer w0.165: J2.2@4.619,32.398 6.34,32.398 ccw(c6.34,32.906) 6.699,32.546 D61.2@7.234,33.082 ; D61.2@7.244,33.105 cw(c7.211,33.105) D61.2@7.235,33.082 ; 13.153,32.259 ccw(c13.153,32.935) 13.631,32.457 14.84,33.666 ; 13.183,32.259 cw(c13.183,32.568) 12.964,32.349 12.88,32.433 ccw(c12.344,31.897) 12.344,32.655 ccw(c12.344,31.901) 11.811,32.434 11.727,32.35 cw(c11.506,32.571) 11.506,32.259 8.552,32.259 cw(c8.552,33.388) 7.754,32.59 7.244,33.099 D61.2@7.244,33.105 cw(c7.211,33.105) D61.2@7.234,33.082 ; 14.837,33.669 cw(c16.073,32.433) 16.073,34.181 ; 16.063,34.181 34.407,34.181 cw(c34.407,32.876) 35.33,33.799 37.203,31.926 ; U2.77@36.179,30.9 U2.77@36.774,30.9 ; 37.203,31.926 cw(c36.774,31.497) 36.774,30.891 ccw(c36.774,31.497) 37.203,31.926
DHSD_P: D61.3 J2.3 R61.2 TP9.1 U2.76 | length 37.9
  Top Layer w0.165: J2.3@4.619,31.75 6.34,31.75 cw(c6.34,31.242) 6.699,31.601 D61.3@7.244,31.055 7.244,31.062 7.754,31.571 ; 15.102,33.425 cw(c16.063,32.464) 16.063,33.823 34.407,33.823 ; 15.112,33.435 13.884,32.207 cw(c13.147,32.944) 13.147,31.901 11.405,31.901 ccw(c11.405,31.589) 11.184,31.81 11.1,31.726 cw(c10.566,32.259) 10.566,31.505 cw(c10.566,32.263) 10.031,31.727 9.947,31.811 ccw(c9.728,31.592) 9.728,31.901 8.551,31.901 ; 34.072,31.788 cw(c34.072,32.296) 34.072,32.804 ; 34.077,31.788 34.68,31.788 cw(c34.68,31.441) 34.925,31.686 ccw(c35.617,32.378) 35.617,31.4 U2.76@36.179,31.4 ; 34.082,32.804 34.382,32.804 ccw(c34.382,33.312) 34.382,33.82 ; 7.754,31.571 cw(c8.551,30.773) 8.551,31.901 ; 7.754,31.571 cw(c8.551,30.773) 8.551,31.901
EXT_GND_DETECT: P19.9 U2.67 | length 59.9
  Top Layer w0.152: v1(4.267,61.316) P19.9@5.836,61.316 ; v1(41.453,39.345) 42.088,38.71 42.088,37.897 42.088,37.236 42.088,37.084 42.088,34.344 41.754,34.011 U2.67@41.754,32.975
  Bottom Layer w0.152: v1(4.267,61.316) 4.427,61.316 15.603,50.14 39.597,50.14 40.513,49.224 40.513,40.284 v1(41.453,39.345)
EXT_RESET: P19.10 U2.68 | length 60.5
  Top Layer w0.152: P19.10@1.936,61.316 v1(3.505,61.316) ; U2.68@41.25,32.98 U2.68@41.254,32.975 41.254,33.833 41.254,33.942 41.783,34.47 41.783,38.176 v1(41.377,38.583)
  Bottom Layer w0.152: v1(3.505,61.316) 4.14,60.681 4.631,60.681 15.477,49.835 39.471,49.835 40.208,49.097 40.208,39.413 41.039,38.583 v1(41.377,38.583)
EXT_SWDCLK: P19.4 U2.70 | length 57.5
  Top Layer w0.152: P19.4@1.936,57.506 v1(3.505,57.506) ; U2.70@40.254,32.975 40.254,33.778 41.199,34.723 v1(41.199,35.687)
  Bottom Layer w0.152: v1(3.505,57.506) 6.944,57.506 15.224,49.225 37.667,49.225 38.176,48.716 38.176,40.583 41.046,37.713 41.046,37.16 41.453,36.754 41.453,35.941 v1(41.199,35.687)
EXT_SWDIO: P19.2 U2.71 | length 56.5
  Top Layer w0.152: P19.2@1.936,56.236 v1(3.505,56.236) ; U2.71@39.754,32.975 39.754,33.709 40.64,34.595 40.64,36.246 v1(40.919,36.525)
  Bottom Layer w0.152: v1(3.505,56.236) 7.783,56.236 15.098,48.92 37.541,48.92 37.871,48.59 37.871,40.457 40.742,37.587 40.742,36.703 v1(40.919,36.525)
EXT_SWO: P19.6 U2.18 | length 77.7
  Top Layer w0.152: P19.6@1.936,58.776 v1(3.505,58.776) ; v1(41.173,31.648) 41.351,31.826 42.189,31.826 43.84,30.175 43.84,28.829 46.888,25.781 46.888,19.66 46.254,19.025 U2.18@46.254,17.825
  Bottom Layer w0.152: v1(3.505,58.776) 6.108,58.776 6.407,58.477 ; 6.405,58.475 15.351,49.53 39.345,49.53 39.903,48.971 39.903,39.287 41.351,37.839 41.351,37.286 41.758,36.88 41.758,32.233 v1(41.173,31.648)
EXT_VTG: P19.1 Q21.4 R24.1 SB47.2 | length 8.9
  Top Layer w0.254: P19.1@5.836,56.49 7.264,56.49 7.772,56.998 7.772,58.056 R24.1@8.661,58.945 8.298,59.309 8.298,62.055 SB47.2@8.298,62.408 ; R24.1@8.811,59.095 Q21.4@9.616,59.095